# Altium PCB PCB SOM AM625.PcbDoc (part 1 of 6) (continued)
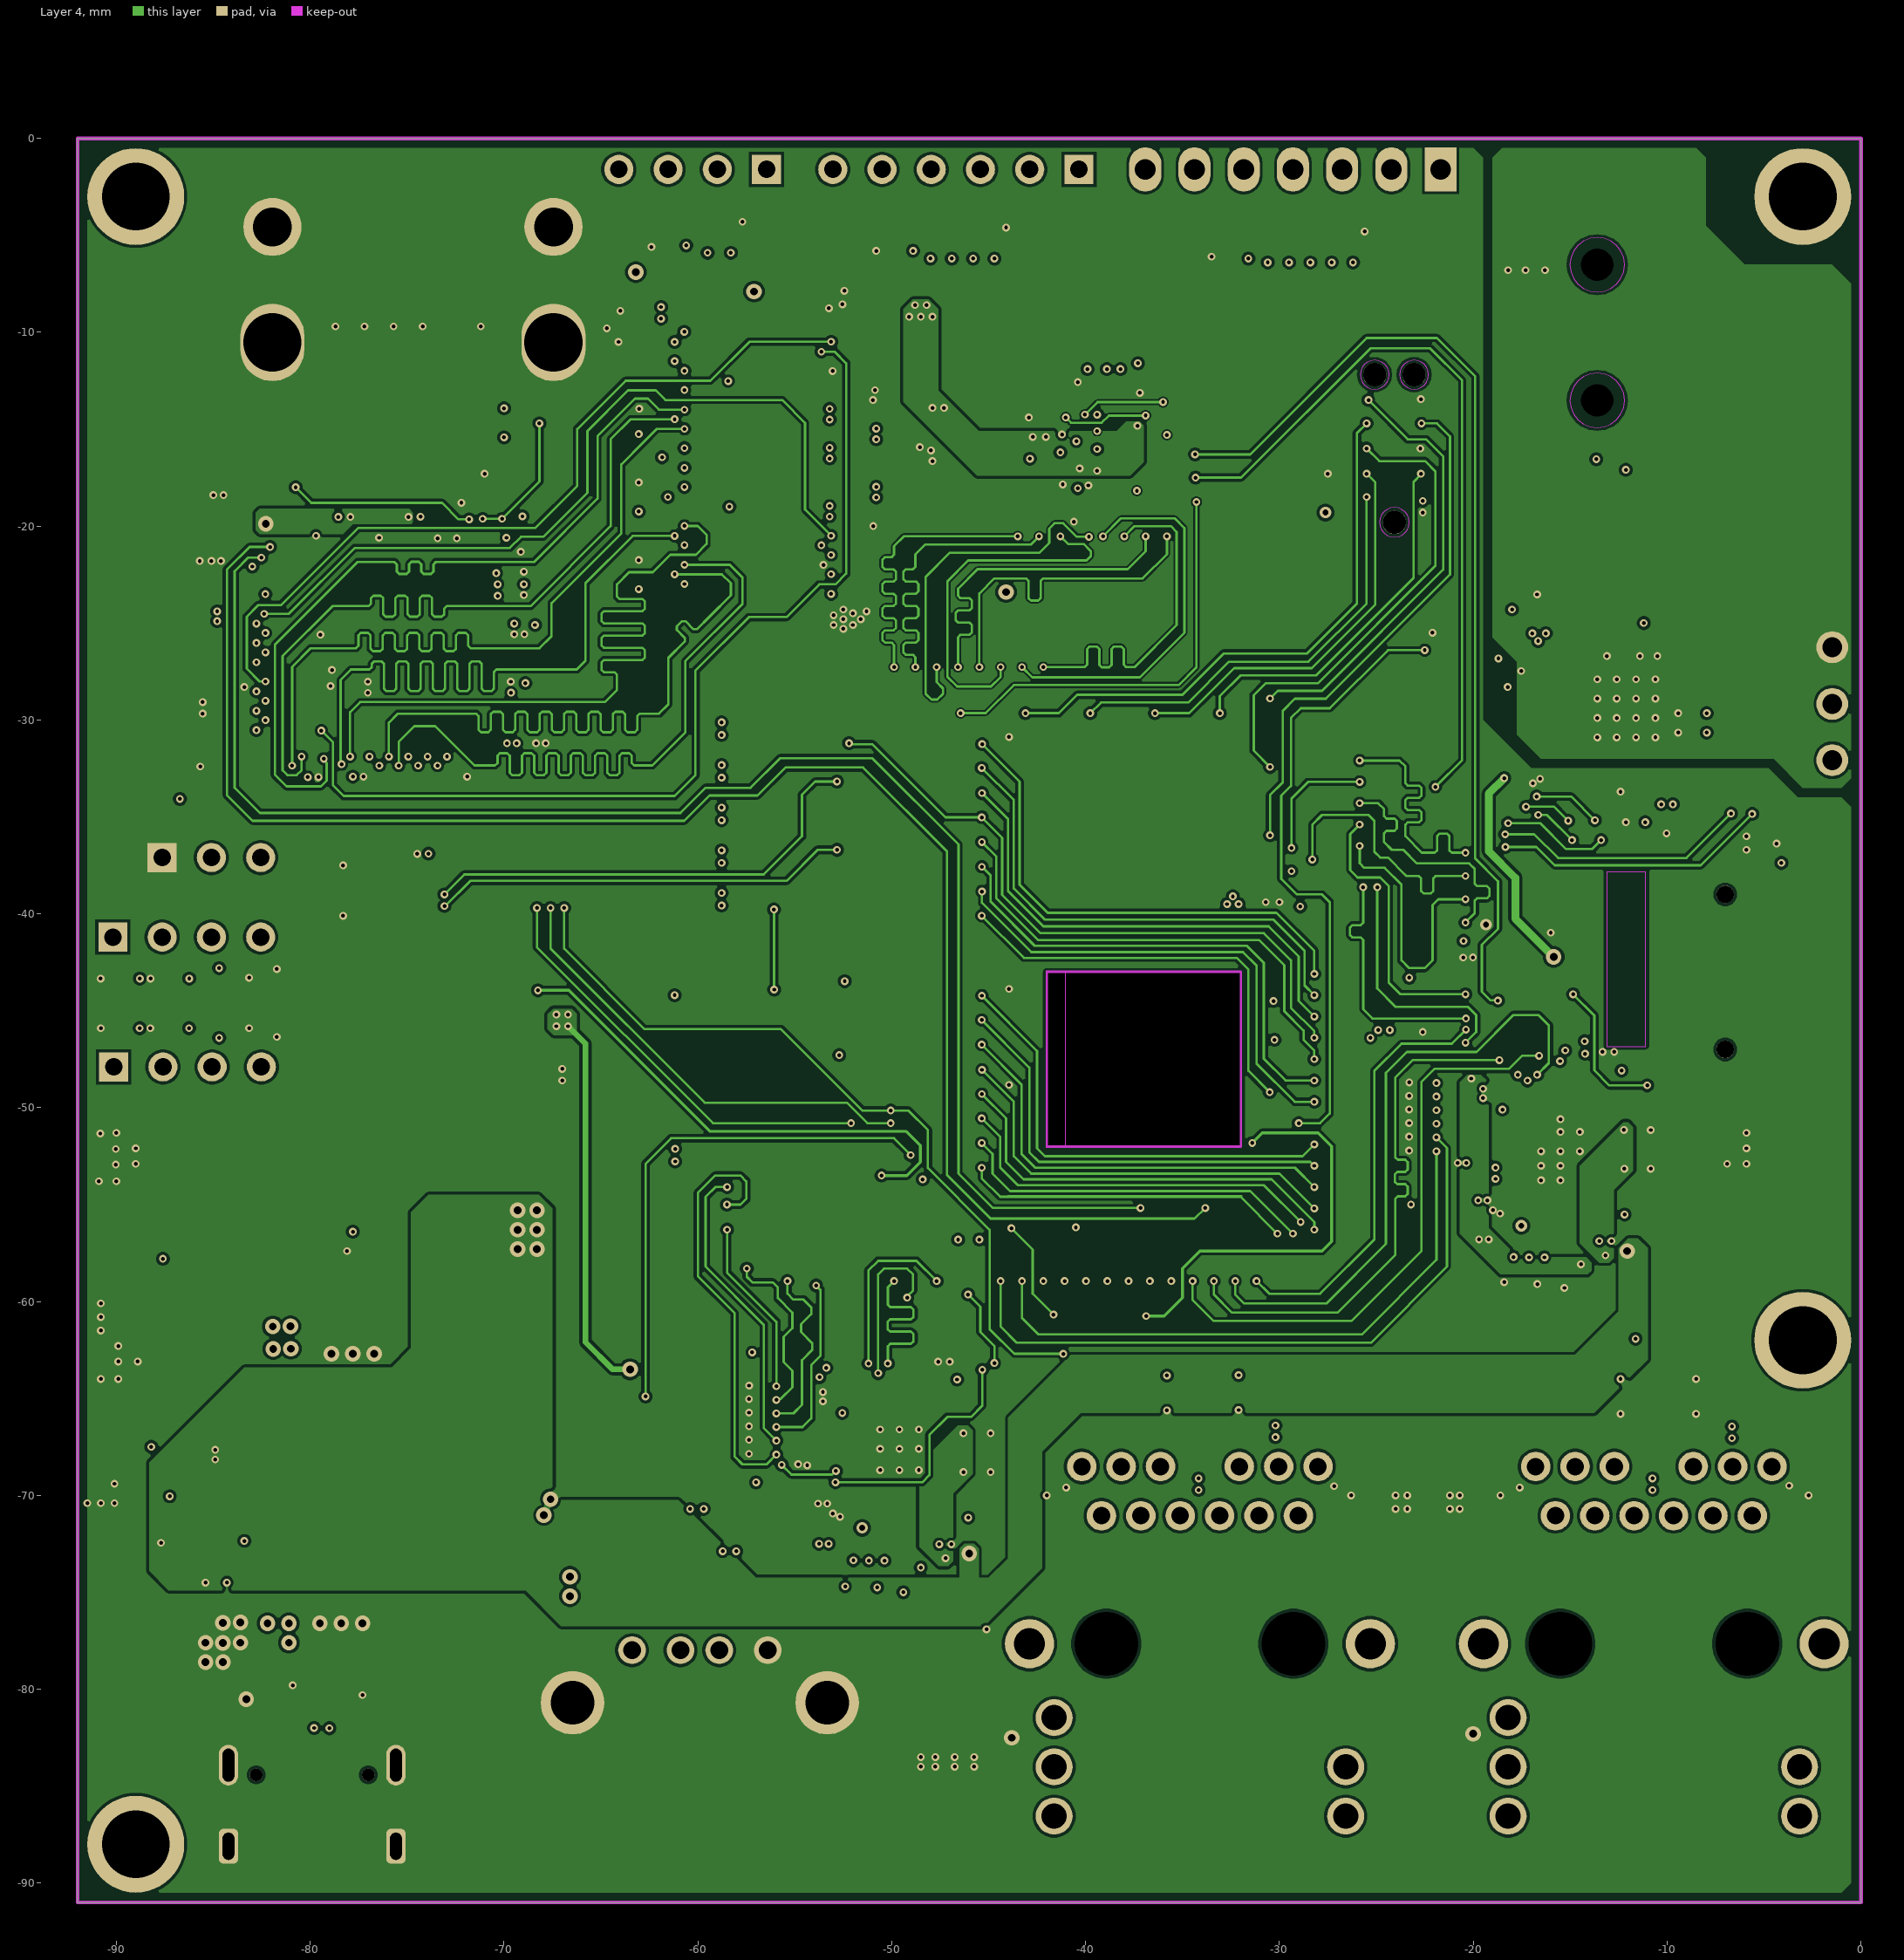
[diagram p4: Layer 4]
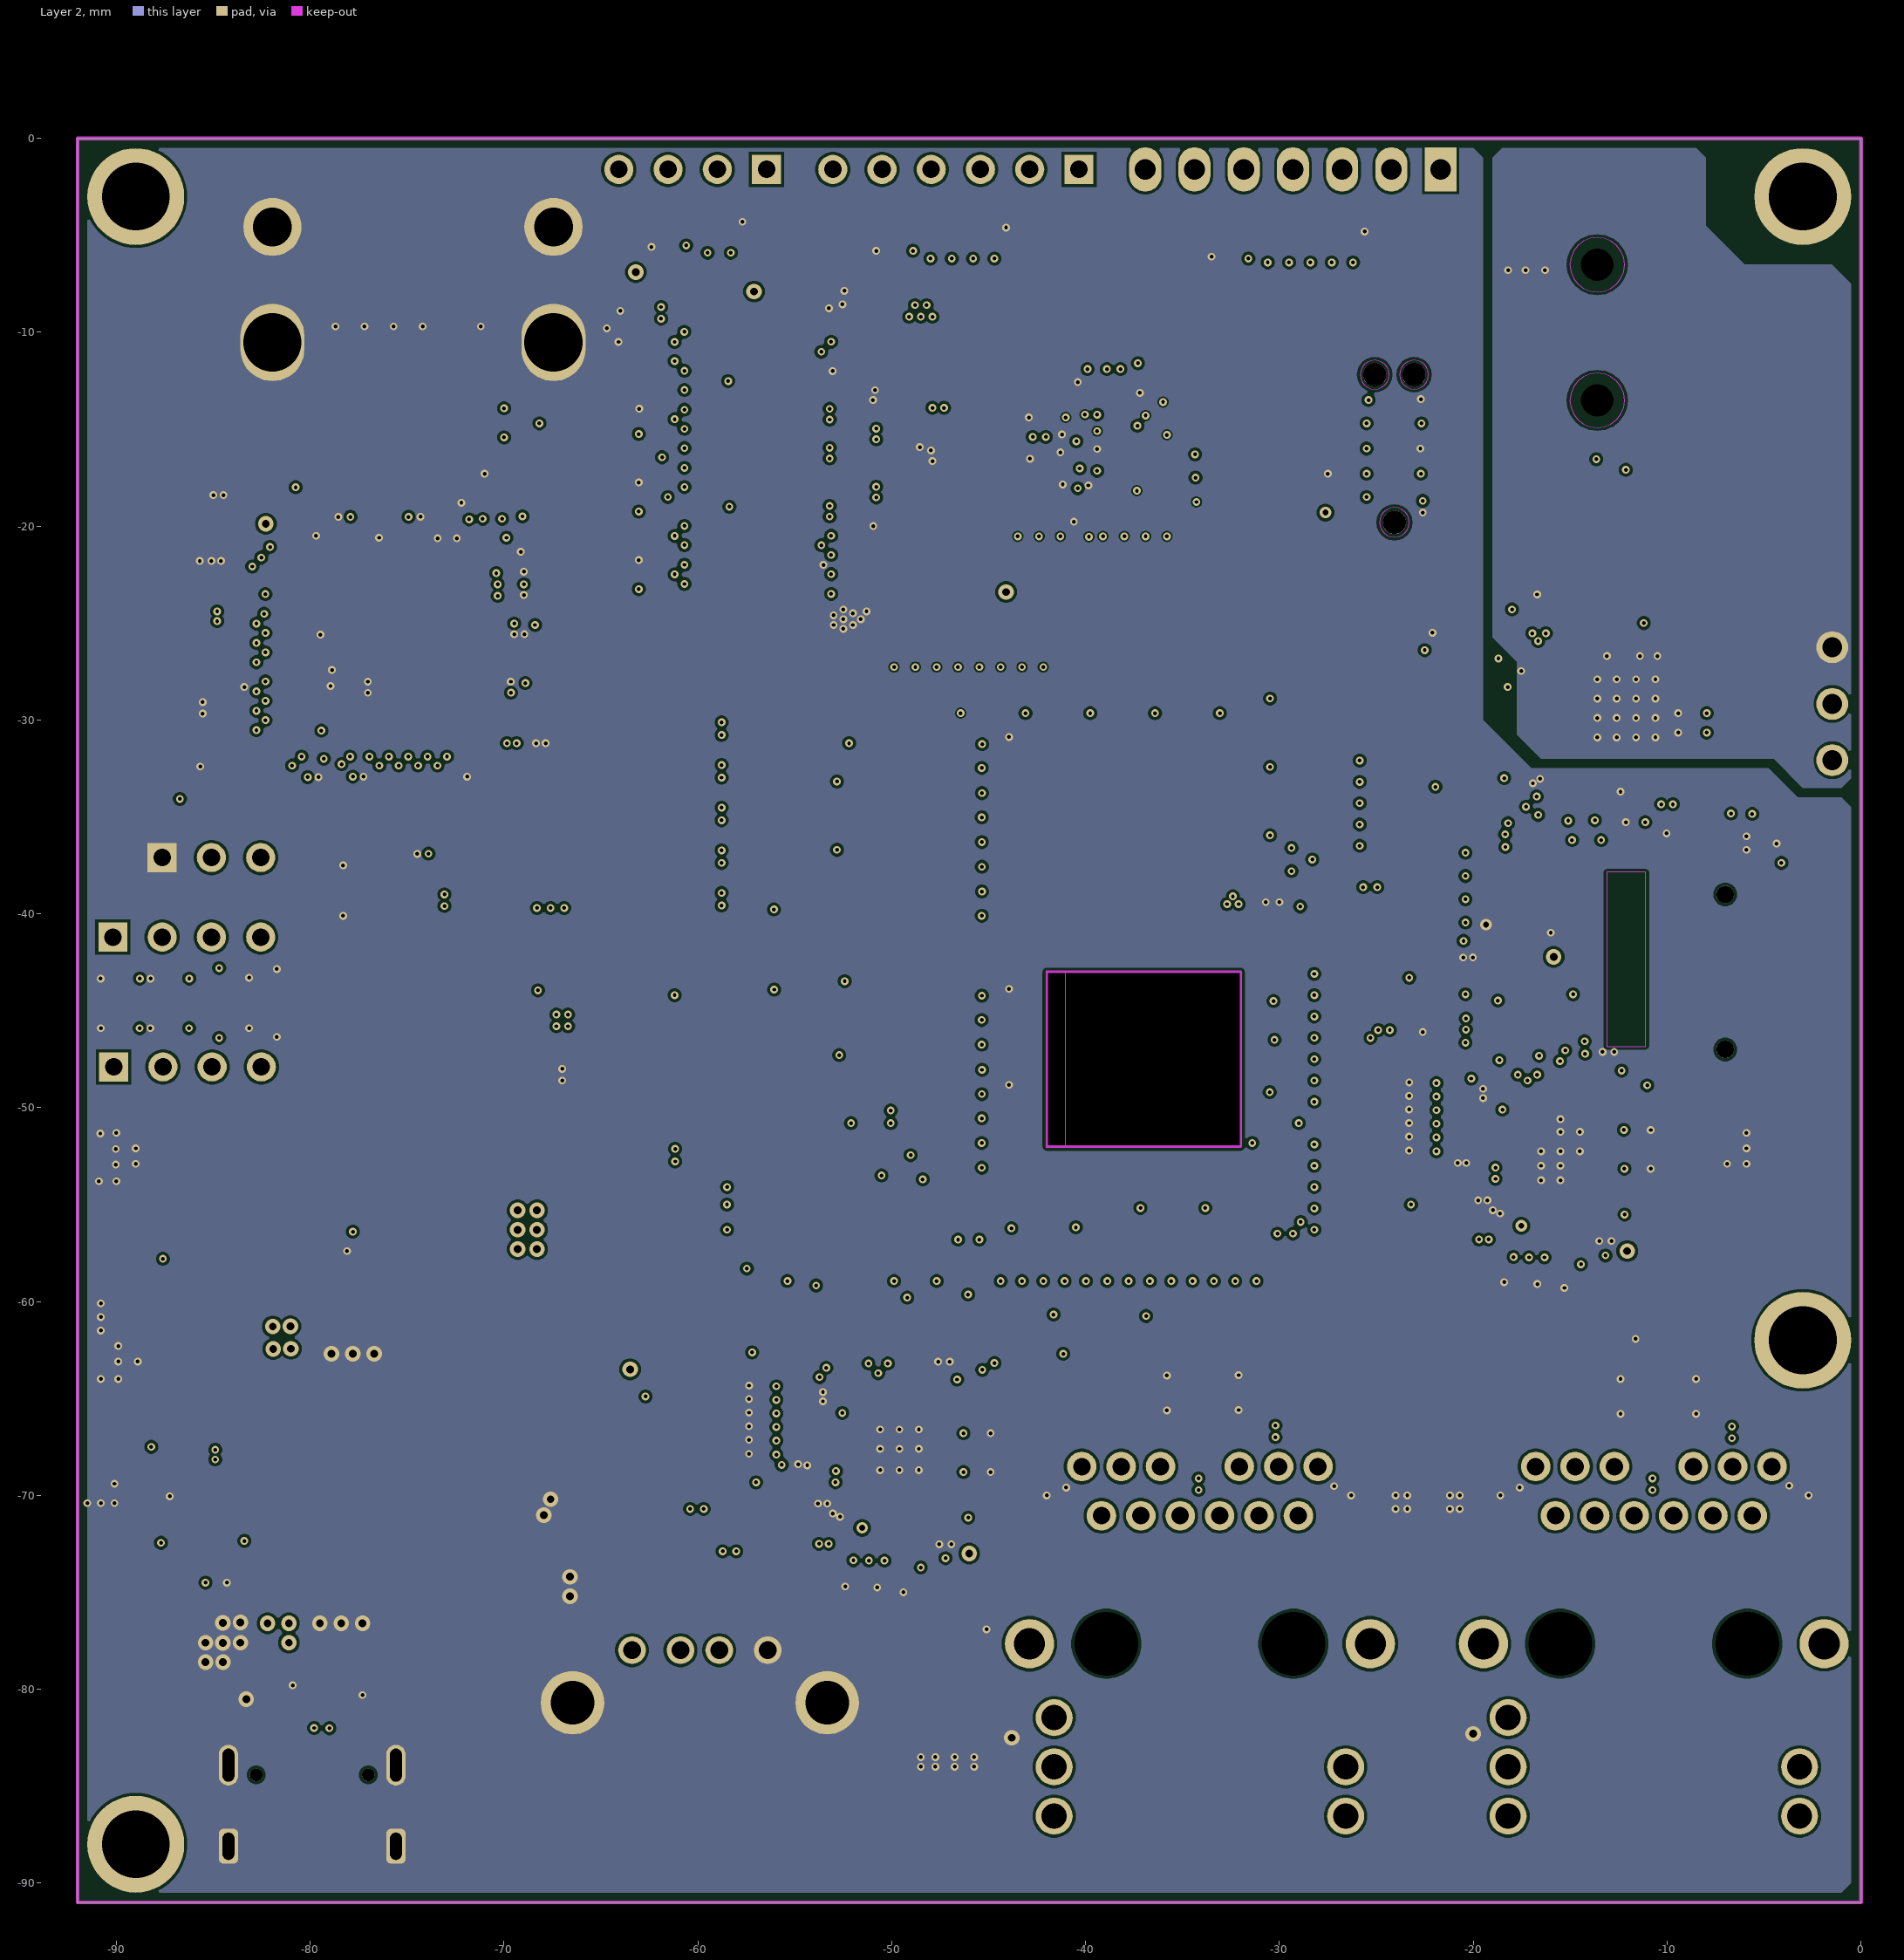
[diagram p5: Layer 2]

## Layer stack, top to bottom
Top Solder: solder mask 0.02, Solder Resist, Dk 3.5
Top Layer: signal copper 0.04
Dielectric 2: prepreg 0.071, PP-006, Dk 4.2
Layer 1: signal copper 0.03
Dielectric 4: prepreg 0.1, PP-006, Dk 4.2
Layer 3: signal copper 0.03
Dielectric 6: core 0.109, Core-009, Dk 4.5
Dielectric 1: dielectric 0.8, FR-4, Dk 4.8
Dielectric 7: core 0.109, Core-009, Dk 4.5
Layer 4: signal copper 0.03
Dielectric 5: prepreg 0.1, PP-006, Dk 4.2
Layer 2: signal copper 0.03
Dielectric 3: prepreg 0.071, PP-006, Dk 4.2
Bottom Layer: signal copper 0.04
Bottom Solder: solder mask 0.02, Solder Resist, Dk 3.5

## Board outline
-92,-91 -92,0 0,0 0,-91
cut-out: -42.05,-52 ccw(c-42,-52) -42,-52.05 -32,-52.05 ccw(c-32,-52) -31.95,-52 -31.95,-43 ccw(c-32,-43) -32,-42.95 -42,-42.95 ccw(c-42,-43) -42.05,-43
cut-out: -41.05,-52 ccw(c-41,-52) -41,-52.05 -32,-52.05 ccw(c-32,-52) -31.95,-52 -31.95,-43 ccw(c-32,-43) -32,-42.95 -41,-42.95 ccw(c-41,-43) -41.05,-43

## Design rules (kind name [scope] priority, off if disabled: settings)
Clearance [InNetClass('eMMC')        or InNet('VDDI')] p1: gap=0.08 ignorepadtopadclearanceinfootprint=TRUE
Clearance Clearance_eMMC [All] p2: gap=0.15 ignorepadtopadclearanceinfootprint=TRUE
DiffPairsRouting Diffpair_DIFF100DiffPairsRouting [InDifferentialPairClass('DIFF100')] p1: maxlimit=0.203 minlimit=0.17 mostfreqgap=0.203 toplayer_maxgap=0.17 toplayer_prefgap=0.17 toplayer_minwidth=0.084 toplayer_maxwidth=0.084 toplayer_prefwidth=0.084 midlayer1_mingap=0.203 midlayer1_minwidth=0.084 midlayer1_maxwidth=0.084 midlayer1_prefwidth=0.084 midlayer2_mingap=0.203 midlayer2_minwidth=0.084 midlayer2_maxwidth=0.084 midlayer2_prefwidth=0.084 bottomlayer_maxgap=0.17 bottomlayer_prefgap=0.17 bottomlayer_minwidth=0.084 bottomlayer_maxwidth=0.084 bottomlayer_prefwidth=0.084 impedanceprofiledriven=TRUE impedanceprofileid={740D0E7E-4253-4B29-9A29-2D62A90416FA} impedanceprofilevalue=100.000000 maxuncoupledlength=12.7
DiffPairsRouting Diffpair_DIFF90DiffPairsRouting [InDifferentialPairClass('DIFF90')] p2: maxlimit=0.17 minlimit=0.117 mostfreqgap=0.17 toplayer_mingap=0.17 toplayer_minwidth=0.109 toplayer_maxwidth=0.109 toplayer_prefwidth=0.109 midlayer1_maxgap=0.117 midlayer1_prefgap=0.117 midlayer1_minwidth=0.086 midlayer1_maxwidth=0.086 midlayer1_prefwidth=0.086 midlayer2_maxgap=0.117 midlayer2_prefgap=0.117 midlayer2_minwidth=0.086 midlayer2_maxwidth=0.086 midlayer2_prefwidth=0.086 bottomlayer_mingap=0.17 bottomlayer_minwidth=0.109 bottomlayer_maxwidth=0.109 bottomlayer_prefwidth=0.109 impedanceprofiledriven=TRUE impedanceprofileid={6C4C1878-A90E-4CA9-B568-7CAB1F91EF52} impedanceprofilevalue=90.000000 maxuncoupledlength=12.7
DiffPairsRouting [All] p3: maxlimit=0.254 minlimit=0.254 mostfreqgap=0.254 toplayer_minwidth=0.381 toplayer_maxwidth=0.381 toplayer_prefwidth=0.381 midlayer1_minwidth=0.381 midlayer1_maxwidth=0.381 midlayer1_prefwidth=0.381 midlayer2_minwidth=0.381 midlayer2_maxwidth=0.381 midlayer2_prefwidth=0.381 midlayer3_minwidth=0.381 midlayer3_maxwidth=0.381 midlayer3_prefwidth=0.381 midlayer4_minwidth=0.381 midlayer4_maxwidth=0.381 midlayer4_prefwidth=0.381 bottomlayer_minwidth=0.381 bottomlayer_maxwidth=0.381 bottomlayer_prefwidth=0.381 maxuncoupledlength=12.7
Height [All] p1: minheight=0 maxheight=100 prefheight=12.7
HoleSize [All] p1: absolutevalues=TRUE maxlimit=5 minlimit=0.025 maxpercent=80.000 minpercent=20.000
HoleToHoleClearance [All] p1: gap=0.1 allowstackedmicrovias=TRUE
MinimumSolderMaskSliver [All] p1: minsoldermaskwidth=0
PlaneConnect [All] p1: planeconnectstyle=Direct reliefexpansion=0.508 reliefentries=4 reliefconductorwidth=0.254 reliefairgap=0.254
PolygonConnect [All] p1: connectstyle=Direct reliefconductorwidth=0.254 reliefentries=4 polygonreliefangle="90 Angle" airgapwidth=0.254
RoutingVias [All] p1: holewidth=0.2 width=0.4 viastyle="Through Hole" minholewidth=0.2 minwidth=0.4 maxholewidth=0.4 maxwidth=0.8
SilkToSilkClearance [All] p1: silktosilkclearance=0
SilkToSolderMaskClearance [IsPad] p1: minsilkscreentomaskgap=0 clearancetoexposedcopper=TRUE
SolderMaskExpansion [All] p1: expansion=0.102 istentingtop=FALSE
Width DiffPair_DIFF100Width [InNetClass('DIFF100')] p1: maxlimit=0.254 minlimit=0.084 preferedwidth=0.084 toplayer_maxwidth=0.084 midlayer1_maxwidth=0.084 midlayer2_maxwidth=0.084 midlayer3_minwidth=0.254 midlayer3_prefwidth=0.254 midlayer4_minwidth=0.254 midlayer4_prefwidth=0.254 bottomlayer_maxwidth=0.084 minimp=50.000000 maximp=50.000000 favimp=50.000000
Width DiffPair_DIFF90Width [InNetClass('DIFF90')] p2: maxlimit=0.254 minlimit=0.086 preferedwidth=0.254 toplayer_minwidth=0.109 toplayer_maxwidth=0.109 toplayer_prefwidth=0.109 midlayer1_maxwidth=0.086 midlayer1_prefwidth=0.086 midlayer2_maxwidth=0.086 midlayer2_prefwidth=0.086 midlayer3_minwidth=0.254 midlayer4_minwidth=0.254 bottomlayer_minwidth=0.109 bottomlayer_maxwidth=0.109 bottomlayer_prefwidth=0.109 minimp=50.000000 maximp=50.000000 favimp=50.000000
Width [All] p3: maxlimit=0.4 minlimit=0.08 preferedwidth=0.254 toplayer_prefwidth=0.15 midlayer1_minwidth=0.122 midlayer1_prefwidth=0.122 midlayer2_minwidth=0.122 midlayer2_prefwidth=0.122 midlayer3_minwidth=0.254 midlayer3_maxwidth=0.254 midlayer4_minwidth=0.254 midlayer4_maxwidth=0.254 bottomlayer_minwidth=0.107 bottomlayer_prefwidth=0.15 minimp=50.000000 maximp=50.000000 favimp=50.000000
22 further rules are at their usual default settings.

## Classes and differential pairs
net class RGMI2: RGMII2_TD0 RGMII2_TD1 RGMII2_TD2 RGMII2_TD4 RXD20/RXDLY RXD21/TXDLY RXD22/PLLOFF RXD23/PHYAD0
net class RGMI1: RGMII1_TD0 RGMII1_TD1 RGMII1_TD2 RGMII1_TD3 RXD10/RXDLY RXD11/TXDLY RXD12/PLLOFF RXD13/PHYAD0
net class ETH2: MDIO20_N MDIO20_P MDIO21_N MDIO21_P MDIO22_N MDIO22_P MDIO23_N MDIO23_P
net class ETH1: MDIO10_N MDIO10_P MDIO11_N MDIO11_P MDIO12_N MDIO12_P MDIO13_N MDIO13_P
net class "SD CARD": MMC1_CLK MMC1_CMD MMC1_D0 MMC1_D1 MMC1_D2 MMC1_D3 MMC1_SDCD SD_PWR_EN
net class eMMC: eMMC_CLK eMMC_RST EMMC_RSTn SOC_MMC0_CLK SOC_MMC0_CMD SOC_MMC0_DAT0 SOC_MMC0_DAT1 SOC_MMC0_DAT2 SOC_MMC0_DAT3 SOC_MMC0_DAT4 SOC_MMC0_DAT5 SOC_MMC0_DAT6 SOC_MMC0_DAT7
differential pair class DIFF100: HDMI_TX0 HDMI_TX1 HDMI_TX2 HDMI_TXC MDIO10 MDIO11 MDIO12 MDIO13 MDIO20 MDIO21 MDIO22 MDIO23 OLDI0_A0 OLDI0_A1 OLDI0_A2 OLDI0_A3 OLDI0_CLK1 TX0 TX1 TX2 TXC
differential pair class DIFF90: USB0 USB1 USB_A USB_C
net class OLDI0: OLDI0_A0_N OLDI0_A0_P OLDI0_A1_N OLDI0_A1_P OLDI0_A2_N OLDI0_A2_P OLDI0_A3_N OLDI0_A3_P OLDI0_CLK1_N OLDI0_CLK1_P
net class HDMI: HDMI_CEC HDMI_D0 HDMI_D1 HDMI_D2 HDMI_D3 HDMI_D4 HDMI_D5 HDMI_D6 HDMI_D7 HDMI_D8 HDMI_D9 HDMI_D10 HDMI_D11 HDMI_D12 HDMI_D13 HDMI_D14 HDMI_D15 HDMI_D16 HDMI_D17 HDMI_D18 HDMI_D19 HDMI_D20 HDMI_D21 HDMI_D22 HDMI_D23 HDMI_D24 HDMI_D25 HDMI_D26 HDMI_D27 HDMI_DSCL HDMI_DSDA HDMI_HPD HDMI_TX0_N HDMI_TX0_P HDMI_TX1_N HDMI_TX1_P HDMI_TX2_N HDMI_TX2_P HDMI_TXC_N HDMI_TXC_P TX0_N TX0_P TX1_N TX1_P TX2_N TX2_P TXC_N TXC_P
net class DIFF100: HDMI_TX0_N HDMI_TX0_P HDMI_TX1_N HDMI_TX1_P HDMI_TX2_N HDMI_TX2_P HDMI_TXC_N HDMI_TXC_P MDIO10_N MDIO10_P MDIO11_N MDIO11_P MDIO12_N MDIO12_P MDIO13_N MDIO13_P MDIO20_N MDIO20_P MDIO21_N MDIO21_P MDIO22_N MDIO22_P MDIO23_N MDIO23_P OLDI0_A0_N OLDI0_A0_P OLDI0_A1_N OLDI0_A1_P OLDI0_A2_N OLDI0_A2_P OLDI0_A3_N OLDI0_A3_P OLDI0_CLK1_N OLDI0_CLK1_P TX0_N TX0_P TX1_N TX1_P TX2_N TX2_P TXC_N TXC_P
net class USB1: USB1_N USB1_P
net class USB0: USB0_N USB0_P
net class DIFF90: USB0_N USB0_P USB1_N USB1_P USB_A_N USB_A_P USB_C_N USB_C_P
differential pair MDIO23: +MDIO23_P -MDIO23_N
differential pair MDIO22: +MDIO22_P -MDIO22_N
differential pair MDIO21: +MDIO21_P -MDIO21_N
differential pair MDIO20: +MDIO20_P -MDIO20_N
differential pair MDIO13: +MDIO13_P -MDIO13_N
differential pair MDIO12: +MDIO12_P -MDIO12_N
differential pair MDIO11: +MDIO11_P -MDIO11_N
differential pair MDIO10: +MDIO10_P -MDIO10_N
differential pair OLDI0_A3: +OLDI0_A3_P -OLDI0_A3_N
differential pair OLDI0_A2: +OLDI0_A2_P -OLDI0_A2_N
differential pair OLDI0_CLK1: +OLDI0_CLK1_P -OLDI0_CLK1_N
differential pair OLDI0_A1: +OLDI0_A1_P -OLDI0_A1_N
differential pair OLDI0_A0: +OLDI0_A0_P -OLDI0_A0_N
differential pair USB_C: +USB_C_P -USB_C_N
differential pair USB_A: +USB_A_P -USB_A_N
differential pair USB1: +USB1_P -USB1_N
differential pair USB0: +USB0_P -USB0_N
differential pair TXC: +TXC_P -TXC_N
differential pair TX2: +TX2_P -TX2_N
differential pair TX1: +TX1_P -TX1_N
differential pair TX0: +TX0_P -TX0_N
differential pair HDMI_TXC: +HDMI_TXC_P -HDMI_TXC_N
differential pair HDMI_TX2: +HDMI_TX2_P -HDMI_TX2_N
differential pair HDMI_TX1: +HDMI_TX1_P -HDMI_TX1_N
differential pair HDMI_TX0: +HDMI_TX0_P -HDMI_TX0_N

## Components (designator, comment, footprint, x,y, rotation, side; value= is the part's Value field where it differs from the comment)
C101 "1uF" C0603 -86.6,-69.3 r270 top
C102 "10uF" C1206B/3216MM -80.175,-64.15 r0 top
C103 "1uF" C0603 -81.275,-66.4 r0 top
C104 "10uF" C1206B/3216MM -80.3,-75.1 r0 top
C105 "1uF" C0603 -81.4,-72.8 r0 top
C106 "47uF" C1206B/3216MM -71.9,-63.1 r0 top
C107 "47uF" C1206B/3216MM -71.9,-60.2 r0 top
C108 "47uF" C1206B/3216MM -71.9,-57.4 r0 top
C109 "100nF" C0603 -71.4,-55.35 r0 top
C110 "100nF" C0603 -84.4,-66.3 r0 top
C111 "36pF" C0402 -86.5,-73.5 r90 top
C112 "10uF" C0603 -72.65,-48.55 r0 top
C113 "120pF" C0402 -70.3,-52.15 r0 top
C114 "22uF" C0805 -70.2,-47.35 r90 top
C115 "22uF" C0805 -68,-47.35 r90 top
C116 "1uF" C0402 -86.175,-31.925 r0 top
C117 "1uF" C0402 -87.925,-28.625 r270 top
C201 "100nF" C0201 -39.4,-16.65 r90 bottom
C202 "100nF" C0201 -40.675,-17.025 r180 bottom
C203 "100nF" C0201 -42.407,-16.019 r270 bottom
C204 "100nF" C0201 -41.5,-15.375 r0 bottom
C205 "4.7uF" C0402 -43.1,-16.1 r270 bottom
C206 "100nF" C0201 -39.575,-12.6 r270 bottom
C207 "100nF" C0201 -38.9,-12.6 r270 bottom
C208 "100nF" C0201 -38.56,-13.65 r0 bottom
C209 "100nF" C0201 -38.15,-12.6 r270 bottom
C210 "100nF" C0201 -40.675,-17.7 r180 bottom
C211 "4.7uF" C0402 -37.2,-12.625 r270 bottom
C212 "100nF" C0201 -38.45,-18.175 r180 bottom
C213 "22uF" C0805 -30.3,-41.2 r90 bottom
C214 "22uF" C0805 -23.6,-42 r270 bottom
C215 "4.7uF" C0402 -21.5,-42.6 r90 bottom
C216 "100nF" C0201 -20.6,-42.9 r90 bottom
C217 "100nF" C0201 -20,-42.9 r90 bottom
C301 "4.7uF" C0402 -62.9,-8.6 r180 top
C302 "100nF" C0603 -62.4,-14.5 r90 top
C303 "100nF" C0603 -62.4,-22.5 r90 top
C304 "100nF" C0603 -62.4,-18.5 r90 top
C305 "100nF" C0603 -63.3,-9.8 r180 top
C306 "10nF" C0402 -62.9,-11 r180 top
C307 "100nF" C0603 -48.55,-17.394 r90 top
C308 "10nF" C0402 -49.95,-17.294 r90 top
C309 "100nF" C0603 -53.9,-7.9 r0 top
C310 "10nF" C0402 -54.3,-9 r0 top
C311 "10uF" C0603 -85.689,-23.209 r90 top
C312 "100nF" C0201 -69.6,-22.3 r0 top
C313 "100nF" C0201 -69.85,-25.3 r270 top
C314 "100nF" C0201 -70,-28.3 r90 top
C315 "100nF" C0201 -77.525,-32.575 r0 top
C316 "100nF" C0201 -83.275,-27.65 r270 top
C317 "100nF" C0201 -83.045,-23.745 r90 top
C318 "10uF" C0603 -85.689,-19.184 r90 top
C319 "10uF" C0603 -83.164,-19.159 r90 top
C320 "100nF" C0201 -74.675,-19.875 r0 top
C321 "100nF" C0201 -78.2,-19.875 r180 top
C322 "10uF" C0603 -68.825,-30.55 r0 top
C323 "10uF" C0603 -68.8,-27.2 r0 top
C324 "100nF" C0201 -79.825,-32.575 r0 top
C325 "100nF" C0201 -82.989,-22.7 r270 top
C326 "100nF" C0201 -69.6,-26.1 r0 top
C327 "100nF" C0201 -69.6,-23.7 r0 top
C501 "4.7uF" C0402 -54.28,-69.895 r270 bottom
C502 "100nF" C0201 -53.505,-69.57 r270 bottom
C503 "1uF" C0201 -52.905,-65.395 r180 bottom
C504 "100nF" C0201 -52.905,-64.72 r180 bottom
C505 "4.7uF" C0402 -54.005,-67.77 r180 bottom
C506 "100nF" C0201 -53.78,-68.57 r180 bottom
C507 "1uF" C0201 -46.755,-71.873 r270 top
C508 "100nF" C0201 -47.005,-63.76 r90 top
C509 "1uF" C0201 -48.177,-71.595 r0 top
C510 "100nF" C0201 -45.605,-68.795 r0 top
C511 "100nF" C0201 -45.605,-66.795 r0 top
C512 "100nF" C0201 -48.177,-72.195 r0 top
C513 "100nF" C0201 -47.605,-63.76 r270 top
C514 "4.7uF" C0402 -53.505,-71.495 r270 top
C515 "100nF" C0201 -52.78,-71.73 r90 top
C516 "100nF" C0402 -42,-69 r270 bottom
C517 "100nF" C0402 -41,-70.6 r90 bottom
C518 "100nF" C0402 -27.175,-70.525 r90 bottom
C519 "100nF" C0402 -26.3,-69 r270 bottom
C520 "100nF" C0402 -43.805,-83.495 r90 bottom
C521 "22pF" C0201 -50.03,-76.645 r90 top
C522 "22pF" C0201 -45.455,-76.645 r270 top
C523 "1nF" C1206B/3216MM -45.605,-80.995 r90 top
C601 "4.7uF" C0402 -20.225,-54.25 r270 bottom
C602 "100nF" C0201 -19.5,-53.925 r270 bottom
C603 "1uF" C0201 -18.85,-49.75 r180 bottom
C604 "100nF" C0201 -18.85,-49.075 r180 bottom
C605 "4.7uF" C0402 -20.05,-52.275 r180 bottom
C606 "100nF" C0201 -19.725,-53 r180 bottom
C607 "1uF" C0201 -12.7,-56.228 r270 top
C608 "100nF" C0201 -12.725,-47.825 r90 top
C609 "1uF" C0201 -14.125,-55.95 r0 top
C610 "100nF" C0201 -11.55,-53.125 r0 top
C611 "100nF" C0201 -11.55,-51.15 r0 top
C612 "100nF" C0201 -14.122,-56.525 r0 top
C613 "100nF" C0201 -13.325,-47.825 r270 top
C614 "4.7uF" C0402 -19.45,-55.85 r270 top
C615 "100nF" C0201 -18.725,-56.085 r90 top
C616 "100nF" C0402 -18.6,-69 r270 bottom
C617 "100nF" C0402 -17.6,-70.6 r90 bottom
C618 "100nF" C0402 -3.7,-70.5 r90 bottom
C619 "100nF" C0402 -2.7,-69 r270 bottom
C620 "100nF" C0402 -20,-83.5 r90 bottom
C621 "22pF" C0201 -16,-61 r90 top
C622 "22pF" C0201 -11.4,-61 r270 top
C623 "1nF" C1206B/3216MM -21.025,-73.15 r270 top
C701 "10uF" C0603 -82.9,-78.5 r180 top
C702 "100nF" C0201 -82.7,-77.4 r180 top
C703 "10uF" C0603 -67.1,-71.8 r90 top
C704 "100uF" C1206B/3216MM -63.9,-74.7 r180 top
C705 "100nF" C0201 -66.8,-69.4 r180 top
C801 "10uF" C0402 -11.625,-34.8 r180 top
C802 "0.1uF" C0201 -11.625,-34.1 r180 top
C803 "10uF" C0402 -17.4,-32.7 r270 top
C804 "0.1uF" C0201 -16.7,-32.4 r270 top
C805 "10uF" C0402 -16.725,-24.475 r90 top
C806 "10uF" C0402 -10.475,-25.6 r270 bottom
C807 "0.1uF" C0201 -15.95,-24.8 r90 top
C808 "0.1uF" C0201 -11.45,-25.925 r270 bottom
C809 "10uF" C0402 -17.525,-26.525 r270 top
C810 "0.1uF" C0201 -16.675,-26.875 r270 top
C811 "0.1uF" C0402 -6.25,-31.375 r0 top
C812 "0.1uF" C0402 -6.25,-29.925 r0 top
C813 "0.1uF" C0201 -8.625,-30.65 r180 bottom
C814 "0.1uF" C0201 -8.625,-29.65 r180 bottom
C815 "47uF" C1206B/3216MM -10.763,-20.687 r90 top
C816 "47uF" C1206B/3216MM -13.963,-20.687 r90 top
C817 "0.47uF" C0402 -7.9,-24.5 r180 top
C818 "0.1uF" C0201 -15.75,-41.35 r0 top
C819 "0.1uF" C0402 -18.7,-27.8 r270 top
C901 "100nF" C0201 -21.9,-18.7 r0 bottom
C902 "100nF" C0201 -83.765,-43.3 r0 top
C903 "100nF" C0201 -83.765,-45.9 r0 top
C904 "100nF" C0201 -74.2,-37.3 r180 top
C905 "100nF" C0201 -61.5,-4.9 r90 top
C906 "100nF" C0201 -49.9,-5.2 r90 top
C907 "100nF" C0201 -32.6,-5.465 r90 top
D201 "RB520S30T1G" SOD_523 -35.95,-17.5 r0 bottom
D202 "RB520S30T1G" SOD_523 -35.95,-18.75 r0 bottom
D203 "RB520S30T1G" SOD_523 -35.95,-16.3 r0 bottom
D204 "RB520S30T1G" SOD_523 -28.1,-36.6 r180 bottom
D205 "RB520S30T1G" SOD_523 -28.1,-37.8 r180 bottom
D206 "TPD1E1B04DPYR" DIO_TPD1E05U06DPYR -21.425,-36.85 r0 bottom
D207 "TPD1E1B04DPYR" DIO_TPD1E05U06DPYR -21.425,-46.65 r0 bottom
D208 "TPD1E1B04DPYR" DIO_TPD1E05U06DPYR -21.4,-45.4 r0 bottom
D209 "TPD1E1B04DPYR" DIO_TPD1E05U06DPYR -21.425,-44.15 r0 bottom
D210 "TPD1E1B04DPYR" DIO_TPD1E05U06DPYR -21.425,-40.45 r0 bottom
D211 "TPD1E1B04DPYR" DIO_TPD1E05U06DPYR -21.425,-39.25 r0 bottom
D212 "TPD1E1B04DPYR" DIO_TPD1E05U06DPYR -21.425,-38.05 r0 bottom
D301 "RB520S30T1G" SOD_523 -68.15,-19.375 r90 top
D302 "TPD4E05U06DQAR" 10-USON -70.989,-16.384 r90 top
D303 "RB520S30T1G" SOD_523 -68.864,-37.83 r270 top
D304 "RB520S30T1G" SOD_523 -67.664,-37.83 r270 top
D305 "RB520S30T1G" SOD_523 -66.464,-37.83 r270 top
D501 "TPD4E05U06DQAR" 10-USON -35.8,-64.718 r270 top
D502 "TPD4E05U06DQAR" 10-USON -32.1,-64.7 r90 top
D503 "RB520S30T1G" sod_523 -42.45,-61.1 r0 top
D504 "RB520S30T1G" sod_523 -42.455,-63.47 r0 top
D505 "RB520S30T1G" sod_523 -42.45,-62.275 r0 top
D601 "TPD4E05U06DQAR" 10-USON -12.4,-64.9 r270 top
D602 "TPD4E05U06DQAR" 10-USON -8.5,-64.9 r90 top
D603 "RB520S30T1G" sod_523 -17.375,-45.275 r180 top
D604 "RB520S30T1G" sod_523 -17.375,-44.075 r180 top
D605 "RB520S30T1G" sod_523 -17.375,-46.5 r180 top
D701 "TPD1E1B04DPYR" DIO_TPD1E05U06DPYR -78.85,-80.8 r270 top
D702 "TPD1E1B04DPYR" DIO_TPD1E05U06DPYR -79.95,-80.8 r270 top
D901 "TPD1E1B04DPYR" DIO_TPD1E05U06DPYR -89.8,-43.34 r0 bottom
D902 "TPD1E1B04DPYR" DIO_TPD1E05U06DPYR -87.25,-43.34 r0 bottom
D903 "TPD1E1B04DPYR" DIO_TPD1E05U06DPYR -89.8,-45.9 r0 bottom
D904 "TPD1E1B04DPYR" DIO_TPD1E05U06DPYR -87.25,-45.9 r0 bottom
D905 "RB520S30T1G" SOD_523 -75.4,-41.6 r180 top
D906 "TPD1E1B04DPYR" DIO_TPD1E05U06DPYR -78.8,-39.6 r180 top
D907 "TPD1E1B04DPYR" DIO_TPD1E05U06DPYR -78.8,-38 r180 top
D908 "TPD1E1B04DPYR" DIO_TPD1E05U06DPYR -58.3,-4.8 r270 bottom
D909 "TPD1E1B04DPYR" DIO_TPD1E05U06DPYR -59.5,-4.8 r270 bottom
D910 "TPD1E1B04DPYR" DIO_TPD1E05U06DPYR -44.7,-5.1 r270 bottom
D911 "TPD1E1B04DPYR" DIO_TPD1E05U06DPYR -45.8,-5.1 r270 bottom
D912 "TPD1E1B04DPYR" DIO_TPD1E05U06DPYR -46.9,-5.1 r270 bottom
D913 "TPD1E1B04DPYR" DIO_TPD1E05U06DPYR -48,-5.1 r270 bottom
D914 "TPD1E1B04DPYR" DIO_TPD1E05U06DPYR -26.2,-5.3 r270 bottom
D915 "TPD1E1B04DPYR" DIO_TPD1E05U06DPYR -27.3,-5.3 r270 bottom
D916 "TPD1E1B04DPYR" DIO_TPD1E05U06DPYR -28.4,-5.3 r270 bottom
D917 "TPD1E1B04DPYR" DIO_TPD1E05U06DPYR -29.5,-5.3 r270 bottom
D918 "TPD1E1B04DPYR" DIO_TPD1E05U06DPYR -30.6,-5.3 r270 bottom
F301 "MF-FSMF010X-2" f0603 -68.164,-16.234 r90 top
FB101 "120R" FB0402 -86.725,-33.225 r90 top
FB301 "120R" FB0402 -62.8,-7.6 r0 top